# Altium PCB AD-FMComms3_revA.PcbDoc (part 6 of 6)
Units mil, origin at the board's own origin, x right, y up, seen from the top; angles counter-clockwise.
Board outline 3311.81 x 2716.54 mil, 10 copper layers (TOP, L2_GND, L3_PWR, L4_GND, L5_SIG, L6_SIG, L7_GND, L8_PWR, L9_GND, BOTTOM), stack 60.05 mil thick; 211 components, 138 nets, 808 pads, 812 vias.
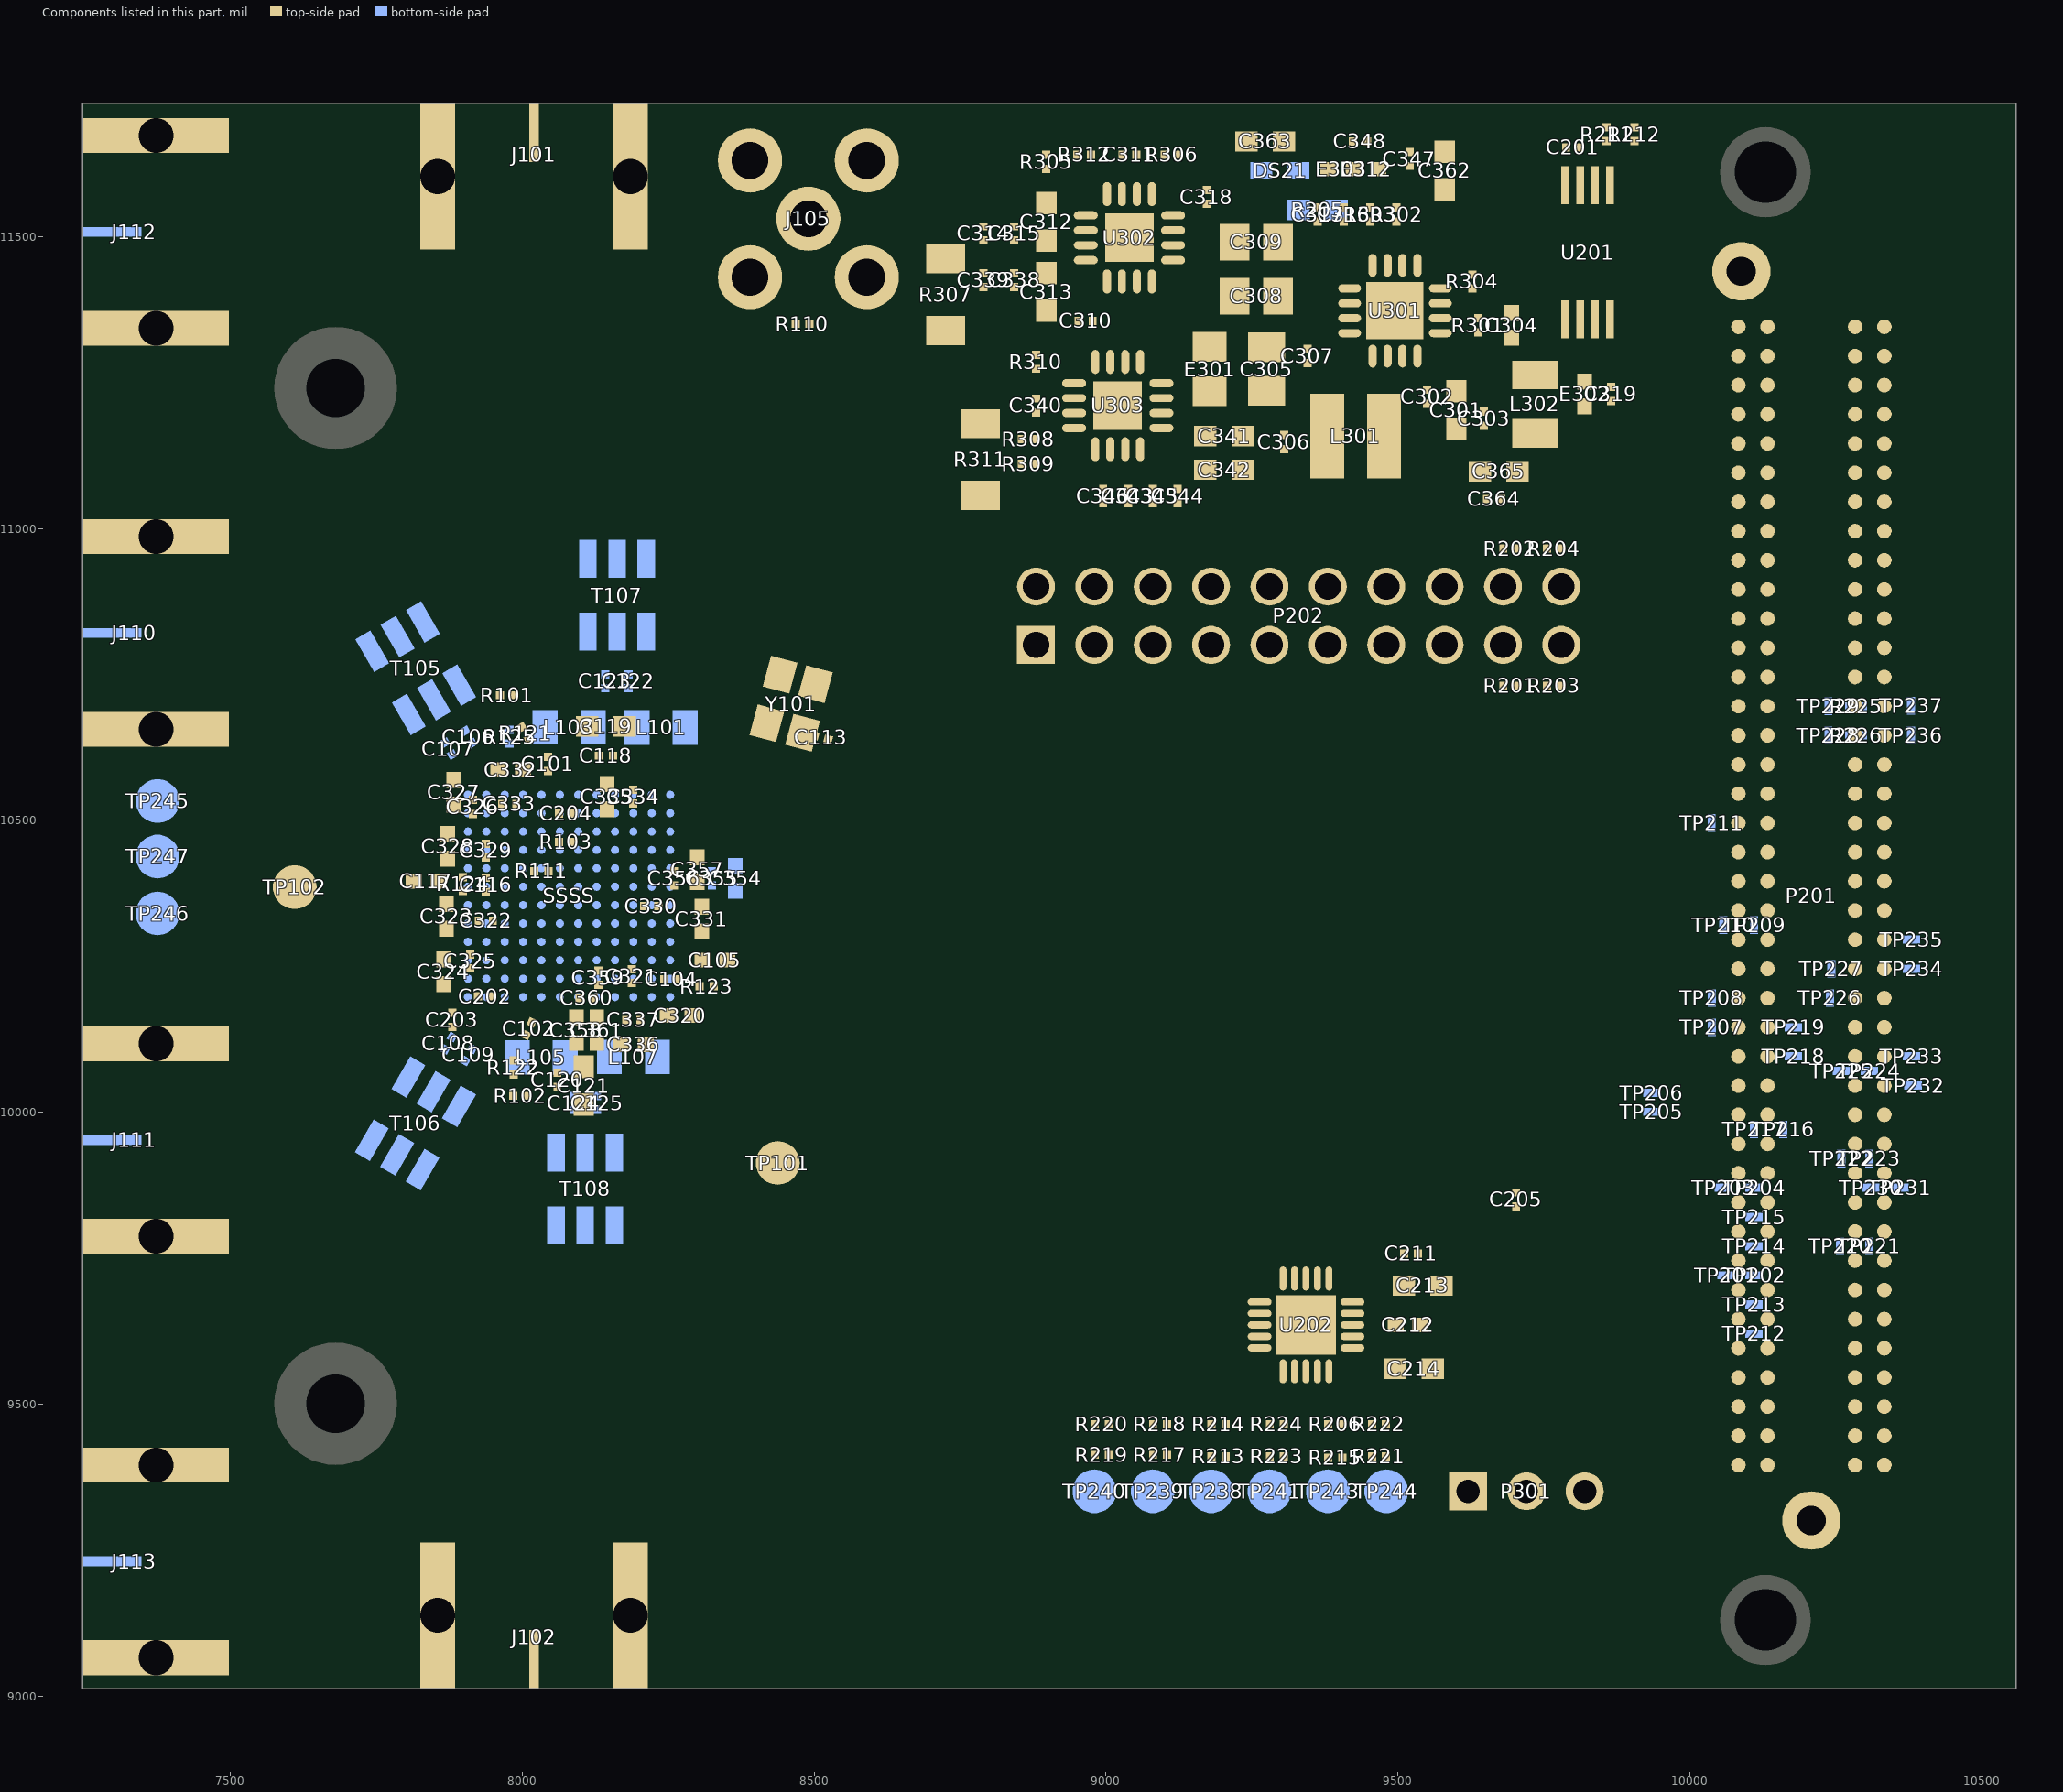
[diagram p14: the components of this part, seen from the top]

## Silkscreen, mask and mechanical layers (free items; w line width, h text height) (continued)
DSIZEM:
  drawing of 810 lines, arcs and shapes, not listed
  text "1" at 4527.5,16500.5 h250
  text "1" at 4527.5,16500.5 h250
  text "2" at 10027.5,16500.5 h250
  text "2" at 10027.5,16500.5 h250
  text "3" at 15527.5,16500.5 h250
  text "3" at 15527.5,16500.5 h250
  text "4" at 21027.5,16500.5 h250
  text "4" at 21027.5,16500.5 h250
  text "D" at 2077.5,14650.5 h250
  text "D" at 2077.5,14650.5 h250
  text "D" at 23477.5,14650.5 h250
  text "D" at 23477.5,14650.5 h250
  text "C" at 2077.5,10400.5 h250
  text "C" at 2077.5,10400.5 h250
  text "C" at 23477.5,10400.5 h250
  text "C" at 23477.5,10400.5 h250
  text "B" at 2077.5,6150.5 h250
  text "B" at 2077.5,6150.5 h250
  text "B" at 23477.5,6150.5 h250
  text "B" at 23477.5,6150.5 h250
  text "SECONDARY SIDE" at 6900,2225.5 h200
  text "SECONDARY SIDE" at 6900,2225.5 h200
  text "WWM" at 3257.5,1950.5 h100
  text "WWM" at 3257.5,1950.5 h100
  text "A" at 2077.5,1900.5 h250
  text "A" at 2077.5,1900.5 h250
  text "A" at 23477.5,1900.5 h250
  text "A" at 23477.5,1900.5 h250
  text "DIVISION" at 3057.5,1800.5 h100
  text "DIVISION" at 3057.5,1800.5 h100
  text "804 WOBURN STREET" at 2833.5,1650.5 h80
  text "804 WOBURN STREET" at 2833.5,1650.5 h80
  text "WILMINGTON, MA 01887" at 2737.5,1500.5 h80
  text "WILMINGTON, MA 01887" at 2737.5,1500.5 h80
  text "REV" at 2752.5,1200.5 h80
  text "REV" at 2752.5,1200.5 h80
  text "DRAWING NUMBER" at 5327.5,1200.5 h80
  text "DRAWING NUMBER" at 5327.5,1200.5 h80
  text "FSCM NO" at 6227.5,1200.5 h80
  text "FSCM NO" at 6227.5,1200.5 h80
  text "SIZE" at 6777.5,1200.5 h80
  text "SIZE" at 6777.5,1200.5 h80
  text "D" at 2547.5,800.5 h200
  text "D" at 2547.5,800.5 h200
  text "01-037246" at 3582.5,800.5 h200
  text "01-037246" at 3582.5,800.5 h200
  text "24355" at 6352.5,800.5 h200
  text "24355" at 6352.5,800.5 h200
  text "C" at 6702.5,800.5 h200
  text "C" at 6702.5,800.5 h200
  text "CUSTOMER EVALUATION BOARD" at 13127.5,538 h200
  text "CUSTOMER EVALUATION BOARD" at 13127.5,538 h200
  text "2" at 2737.5,475.5 h100
  text "2" at 2737.5,475.5 h100
  text "OF" at 3077.5,475.5 h80
  text "OF" at 3077.5,475.5 h80
  text "2" at 3212.5,475.5 h100
  text "2" at 3212.5,475.5 h100
  text "SHEET" at 3827.5,475.5 h80
  text "SHEET" at 3827.5,475.5 h80
  text "1/1" at 6027.5,475.5 h100
  text "1/1" at 6027.5,475.5 h100
  text "SCALE" at 6777.5,475.5 h80
  text "SCALE" at 6777.5,475.5 h80
  text "1" at 4527.5,50.5 h250
  text "1" at 4527.5,50.5 h250
  text "2" at 10027.5,50.5 h250
  text "2" at 10027.5,50.5 h250
  text "3" at 15527.5,50.5 h250
  text "3" at 15527.5,50.5 h250
  text "4" at 21027.5,50.5 h250
  text "4" at 21027.5,50.5 h250
DSIZE:
  text "FABRICATION" at 20280.3,2225.5 h188
  text "FABRICATION" at 20280.3,2225.5 h188
  text "09" at 20472.5,800.5 h200
  text "09" at 20472.5,800.5 h200
  text "A" at 23027.5,800.5 h200
  text "A" at 23027.5,800.5 h200
  text "1" at 22480,475.5 h100
  text "1" at 22480,475.5 h100
  text "1" at 22880,475.5 h100
  text "1" at 22880,475.5 h100
ASSY_D:
  text "ASSEMBLY" at 20505.9,2225.5 h188
  text "ASSEMBLY" at 20505.9,2225.5 h188
  text "01" at 20472.5,800.5 h200
  text "01" at 20472.5,800.5 h200
  text "D" at 23027.5,800.5 h200
  text "D" at 23027.5,800.5 h200
  text "1" at 22480,475.5 h100
  text "1" at 22480,475.5 h100
  text "2" at 22880,475.5 h100
  text "2" at 22880,475.5 h100
Mechanical 255:
  lines w1: 7757.03,10715.74 7883.56,10788.79 7973.06,10633.78 7846.53,10560.73 7757.03,10715.74 ; 7765.72,10033.25 7892.25,9960.2 7981.74,10115.21 7855.21,10188.27 7765.72,10033.25 ; 7989,10129.5 8032.26,9869.92 8178.37,9869.93 8230,10129.5 7989,10129.5 ; 8039.99,10624.5 8280.99,10624.5 8237.73,10884.08 8091.62,10884.07 8039.99,10624.5

## Text inside footprints (layer, text, board x,y; h text height)
C101: PIN_NUMBER "2" at 8033.75,10584.74 h25 r270; PIN_NUMBER "1" at 8033.75,10608.76 h25 r270; PAD_STACK_NAME "14X14" at 7819.74,10589.15 h50 r270; PAD_STACK_NAME "C0201" at 8040.76,10585.74 h50 r270; DISPLAY_TOP "QA/XXX" at 7969.37,10451.75 h31; DISPLAY_TOP "14JAN09" at 7956.95,10711.76 h31; DISPLAY_TOP "10XXX09" at 7956.95,10411.76 h31; DISPLAY_TOP "ADI/DML" at 7956.97,10756.75 h31; ASSEMBLY_TOP "UPN" at 8013.75,10531.75 h25; ASSEMBLY_TOP "10" at 8023.75,10561.75 h25; ASSEMBLY_TOP "1000pF" at 7983.76,10606.96 h25
C102: PIN_NUMBER "2" at 8006.32,10153.87 h25 r65; PIN_NUMBER "1" at 7996.18,10132.13 h25 r65; PAD_STACK_NAME "14X14" at 8026.85,10097.48 h50 r65; PAD_STACK_NAME "C0201" at 7827.99,10193.96 h50 r65; DISPLAY_TOP "QA/XXX" at 7998.12,10274.41 h31 r155; DISPLAY_TOP "14JAN09" at 7875.86,10038.77 h31 r155; DISPLAY_TOP "10XXX09" at 8002.63,10310.66 h31 r155; DISPLAY_TOP "ADI/DML" at 7856.84,9997.99 h31 r155; ASSEMBLY_TOP "UPN" at 8008.72,10201.91 h25 r155; ASSEMBLY_TOP "10" at 8006.04,10174.72 h25 r155; ASSEMBLY_TOP "1000pF" at 7946.94,10133.75 h25 r155
C104: PIN_NUMBER "1" at 8257,10228 h25 r180; PIN_NUMBER "2" at 8233,10228 h25 r180; PAD_STACK_NAME "14X14" at 8147.4,10352 h50 r180; PAD_STACK_NAME "C0201" at 8144,10131 h50 r180; DISPLAY_TOP "QA/XXX" at 8035.6,10228 h31 r270; DISPLAY_TOP "14JAN09" at 8283.2,10228 h31 r270; DISPLAY_TOP "10XXX09" at 7983.2,10228 h31 r270; DISPLAY_TOP "ADI/DML" at 8328.2,10228 h31 r270; ASSEMBLY_TOP "UPN" at 8160,10228 h25 r270; ASSEMBLY_TOP "10" at 8200,10228 h25 r270; ASSEMBLY_TOP "1000pF" at 8205.2,10228 h25 r270
C105: PIN_NUMBER "2" at 8298.75,10260.5 h25 r180; PIN_NUMBER "1" at 8341.25,10260.5 h25 r180; PAD_STACK_NAME "C0402" at 8235,10165.5 h50 r180; PAD_STACK_NAME "27.5x25x15" at 8206,10390.5 h31 r180; ASSEMBLY_TOP "1uF" at 8295.67,10274.67 h25 r180; ASSEMBLY_TOP "10" at 8305.28,10314.44 h25 r180; ASSEMBLY_TOP "UPN" at 8299.21,10329 h25 r180
C106: PIN_NUMBER "2" at 7904.07,10632.42 h25 r120; PIN_NUMBER "1" at 7892.07,10653.2 h25 r120; ASSEMBLY_BOTTOM "UPN" at 7910.57,10586.52 h25 r30; ASSEMBLY_BOTTOM "5" at 7915.57,10612.5 h25 r30; ASSEMBLY_BOTTOM "18pF" at 7862.97,10651.64 h25 r30; PAD_STACK_NAME "14X14" at 7919.26,10698.23 h50 r120; PAD_STACK_NAME "C0201" at 7729.57,10584.78 h50 r120; DISPLAY_BOTTOM "QA/XXX" at 7906.17,10517.24 h31 r30; DISPLAY_BOTTOM "14JAN09" at 7763.77,10742.4 h31 r30; DISPLAY_BOTTOM "10XXX09" at 7913.77,10482.6 h31 r30; DISPLAY_BOTTOM "ADI/DML" at 7741.27,10781.37 h31 r30
C107: PIN_NUMBER "2" at 7869.43,10612.42 h25 r120; PIN_NUMBER "1" at 7857.43,10633.2 h25 r120; ASSEMBLY_BOTTOM "UPN" at 7875.93,10566.52 h25 r30; ASSEMBLY_BOTTOM "5" at 7880.93,10592.5 h25 r30; ASSEMBLY_BOTTOM "18pF" at 7828.33,10631.64 h25 r30; PAD_STACK_NAME "14X14" at 7884.62,10678.23 h50 r120; PAD_STACK_NAME "C0201" at 7694.93,10564.78 h50 r120; DISPLAY_BOTTOM "QA/XXX" at 7871.53,10497.24 h31 r30; DISPLAY_BOTTOM "14JAN09" at 7729.13,10722.4 h31 r30; DISPLAY_BOTTOM "10XXX09" at 7879.13,10462.6 h31 r30; DISPLAY_BOTTOM "ADI/DML" at 7706.63,10761.37 h31 r30
C108: PIN_NUMBER "2" at 7869.43,10128.58 h25 r240; PIN_NUMBER "1" at 7857.43,10107.8 h25 r240; ASSEMBLY_BOTTOM "UPN" at 7875.93,10174.48 h25 r150; ASSEMBLY_BOTTOM "5" at 7880.93,10148.5 h25 r150; ASSEMBLY_BOTTOM "18pF" at 7828.33,10109.36 h25 r150; PAD_STACK_NAME "14X14" at 7669.84,10186.77 h50 r240; PAD_STACK_NAME "C0201" at 7862.93,10079.22 h50 r240; DISPLAY_BOTTOM "QA/XXX" at 7871.53,10243.76 h31 r150; DISPLAY_BOTTOM "14JAN09" at 7729.13,10018.6 h31 r150; DISPLAY_BOTTOM "10XXX09" at 7879.13,10278.4 h31 r150; DISPLAY_BOTTOM "ADI/DML" at 7706.63,9979.63 h31 r150
C109: PIN_NUMBER "2" at 7904.07,10108.58 h25 r240; PIN_NUMBER "1" at 7892.07,10087.8 h25 r240; ASSEMBLY_BOTTOM "UPN" at 7910.57,10154.48 h25 r150; ASSEMBLY_BOTTOM "5" at 7915.57,10128.5 h25 r150; ASSEMBLY_BOTTOM "18pF" at 7862.97,10089.36 h25 r150; PAD_STACK_NAME "14X14" at 7704.48,10166.77 h50 r240; PAD_STACK_NAME "C0201" at 7897.57,10059.22 h50 r240; DISPLAY_BOTTOM "QA/XXX" at 7906.17,10223.76 h31 r150; DISPLAY_BOTTOM "14JAN09" at 7763.77,9998.6 h31 r150; DISPLAY_BOTTOM "10XXX09" at 7913.77,10258.4 h31 r150; DISPLAY_BOTTOM "ADI/DML" at 7741.27,9959.63 h31 r150
C113: PIN_NUMBER "2" at 8490.62,10645 h25 r165; PIN_NUMBER "1" at 8513.8,10638.78 h25 r165; PAD_STACK_NAME "14X14" at 8436.96,10763.63 h50 r165; PAD_STACK_NAME "C0201" at 8376.48,10551.04 h50 r165; DISPLAY_TOP "QA/XXX" at 8297.75,10679.42 h31 r255; DISPLAY_TOP "14JAN09" at 8536.49,10612.13 h31 r255; DISPLAY_TOP "10XXX09" at 8246.71,10689.77 h31 r255; DISPLAY_TOP "ADI/DML" at 8579.96,10600.48 h31 r255; ASSEMBLY_TOP "UPN" at 8419.42,10658.71 h25 r255; ASSEMBLY_TOP "10" at 8458.4,10650.95 h25 r255; ASSEMBLY_TOP "0.1uF" at 8472.06,10639.25 h25 r255
C116: PIN_NUMBER "2" at 7927.5,10401.79 h25 r90; PIN_NUMBER "1" at 7927.5,10377.77 h25 r90; PAD_STACK_NAME "14X14" at 7961.51,10397.38 h50 r90; PAD_STACK_NAME "C0201" at 7740.5,10400.78 h50 r90; DISPLAY_TOP "QA/XXX" at 7863.1,10534.78 h31 r180; DISPLAY_TOP "14JAN09" at 7850.7,10274.78 h31 r180; DISPLAY_TOP "10XXX09" at 7850.7,10574.77 h31 r180; DISPLAY_TOP "ADI/DML" at 7850.7,10229.78 h31 r180; ASSEMBLY_TOP "UPN" at 7907.5,10454.78 h25 r180; ASSEMBLY_TOP "10" at 7917.5,10424.78 h25 r180; ASSEMBLY_TOP "1000pF" at 7877.5,10379.58 h25 r180
C117: PIN_NUMBER "2" at 7803.75,10395.5 h25 r180; PIN_NUMBER "1" at 7846.25,10395.5 h25 r180; PAD_STACK_NAME "C0402" at 7740,10300.5 h50 r180; PAD_STACK_NAME "27.5x25x15" at 7711,10525.5 h31 r180; ASSEMBLY_TOP "1uF" at 7800.67,10409.67 h25 r180; ASSEMBLY_TOP "10" at 7810.28,10449.44 h25 r180; ASSEMBLY_TOP "UPN" at 7804.21,10464 h25 r180
C118: PIN_NUMBER "1" at 8121.25,10610.76 h25; PIN_NUMBER "2" at 8145.25,10610.76 h25; PAD_STACK_NAME "14X14" at 8050.85,10486.76 h50; PAD_STACK_NAME "C0201" at 8054.25,10707.76 h50; DISPLAY_TOP "QA/XXX" at 8213.85,10610.76 h31 r90; DISPLAY_TOP "14JAN09" at 7941.45,10610.76 h31 r90; DISPLAY_TOP "10XXX09" at 8241.45,10610.76 h31 r90; DISPLAY_TOP "ADI/DML" at 7896.45,10610.76 h31 r90; ASSEMBLY_TOP "UPN" at 8178.25,10610.76 h25 r90; ASSEMBLY_TOP "10" at 8158.25,10610.76 h25 r90; ASSEMBLY_TOP "1000pF" at 8073.05,10610.76 h25 r90
C119: PIN_NUMBER "2" at 8101,10660.76 h25 r180; PIN_NUMBER "1" at 8165.5,10660.76 h25 r180; PAD_STACK_NAME "C0603a" at 8028.25,10565.76 h50 r180; PAD_STACK_NAME "38.5x35x26" at 8043.25,10790.76 h25 r180; ASSEMBLY_TOP "10UF" at 8101.25,10671.76 h25 r180; ASSEMBLY_TOP "20" at 8193.25,10660.76 h25 r270; ASSEMBLY_TOP "UPN" at 7989.25,10661.76 h25 r270
C120: PIN_NUMBER "1" at 8050,10043.5 h25 r90; PIN_NUMBER "2" at 8050,10067.5 h25 r90; PAD_STACK_NAME "14X14" at 8084,10063.1 h50 r90; PAD_STACK_NAME "C0201" at 7863,10066.5 h50 r90; DISPLAY_TOP "QA/XXX" at 7985.6,10200.5 h31 r180; DISPLAY_TOP "14JAN09" at 7973.2,9940.5 h31 r180; DISPLAY_TOP "10XXX09" at 7973.2,10240.5 h31 r180; DISPLAY_TOP "ADI/DML" at 7973.2,9895.5 h31 r180; ASSEMBLY_TOP "UPN" at 8030,10120.5 h25 r180; ASSEMBLY_TOP "10" at 8040,10090.5 h25 r180; ASSEMBLY_TOP "1000pF" at 8000,10045.3 h25 r180
C121: PIN_NUMBER "2" at 8095,10013.25 h25 r270; PIN_NUMBER "1" at 8095,10077.75 h25 r270; PAD_STACK_NAME "C0603a" at 8080,10050.5 h50 r270; PAD_STACK_NAME "38.5x35x26" at 7875,10045.5 h25 r270; ASSEMBLY_TOP "10UF" at 8054,10043.5 h25 r270; ASSEMBLY_TOP "20" at 8085,10115.5 h25; ASSEMBLY_TOP "UPN" at 8074,9921.5 h25
C122: PIN_NUMBER "1" at 8171.82,10726.26 h25 r270; PIN_NUMBER "2" at 8171.82,10750.26 h25 r270; ASSEMBLY_BOTTOM "UPN" at 8151.82,10803.26 h25 r180; ASSEMBLY_BOTTOM "5" at 8171.82,10773.26 h25 r180; ASSEMBLY_BOTTOM "18pF" at 8141.82,10728.06 h25 r180; PAD_STACK_NAME "14X14" at 7957.82,10745.86 h50 r270; PAD_STACK_NAME "C0201" at 8178.82,10749.26 h50 r270; DISPLAY_BOTTOM "QA/XXX" at 8107.42,10883.26 h31 r180; DISPLAY_BOTTOM "14JAN09" at 8095.02,10623.26 h31 r180; DISPLAY_BOTTOM "10XXX09" at 8095.02,10923.26 h31 r180; DISPLAY_BOTTOM "ADI/DML" at 8095.02,10578.26 h31 r180
C123: PIN_NUMBER "1" at 8131.82,10726.26 h25 r270; PIN_NUMBER "2" at 8131.82,10750.26 h25 r270; ASSEMBLY_BOTTOM "UPN" at 8111.82,10803.26 h25 r180; ASSEMBLY_BOTTOM "5" at 8131.82,10773.26 h25 r180; ASSEMBLY_BOTTOM "18pF" at 8101.82,10728.06 h25 r180; PAD_STACK_NAME "14X14" at 7917.82,10745.86 h50 r270; PAD_STACK_NAME "C0201" at 8138.82,10749.26 h50 r270; DISPLAY_BOTTOM "QA/XXX" at 8067.42,10883.26 h31 r180; DISPLAY_BOTTOM "14JAN09" at 8055.02,10623.26 h31 r180; DISPLAY_BOTTOM "10XXX09" at 8055.02,10923.26 h31 r180; DISPLAY_BOTTOM "ADI/DML" at 8055.02,10578.26 h31 r180
C124: PIN_NUMBER "1" at 8078.17,10027.74 h25 r90; PIN_NUMBER "2" at 8078.17,10003.74 h25 r90; ASSEMBLY_BOTTOM "UPN" at 8058.17,9950.74 h25; ASSEMBLY_BOTTOM "5" at 8078.17,9980.74 h25; ASSEMBLY_BOTTOM "18pF" at 8048.17,10025.94 h25; PAD_STACK_NAME "14X14" at 8112.17,10008.14 h50 r90; PAD_STACK_NAME "C0201" at 7891.17,10004.74 h50 r90; DISPLAY_BOTTOM "QA/XXX" at 8013.77,9870.74 h31; DISPLAY_BOTTOM "14JAN09" at 8001.37,10130.74 h31; DISPLAY_BOTTOM "10XXX09" at 8001.37,9830.74 h31; DISPLAY_BOTTOM "ADI/DML" at 8001.37,10175.74 h31
C125: PIN_NUMBER "1" at 8118.17,10027.74 h25 r90; PIN_NUMBER "2" at 8118.17,10003.74 h25 r90; ASSEMBLY_BOTTOM "UPN" at 8098.17,9950.74 h25; ASSEMBLY_BOTTOM "5" at 8118.17,9980.74 h25; ASSEMBLY_BOTTOM "18pF" at 8088.17,10025.94 h25; PAD_STACK_NAME "14X14" at 8152.17,10008.14 h50 r90; PAD_STACK_NAME "C0201" at 7931.17,10004.74 h50 r90; DISPLAY_BOTTOM "QA/XXX" at 8053.77,9870.74 h31; DISPLAY_BOTTOM "14JAN09" at 8041.37,10130.74 h31; DISPLAY_BOTTOM "10XXX09" at 8041.37,9830.74 h31; DISPLAY_BOTTOM "ADI/DML" at 8041.37,10175.74 h31
C201: PIN_NUMBER "2" at 9802,11653 h25; PIN_NUMBER "1" at 9778,11653 h25; PAD_STACK_NAME "14X14" at 9707.6,11529 h50; PAD_STACK_NAME "C0201" at 9711,11750 h50; DISPLAY_TOP "QA/XXX" at 9870.6,11653 h31 r90; DISPLAY_TOP "14JAN09" at 9598.2,11653 h31 r90; DISPLAY_TOP "10XXX09" at 9898.2,11653 h31 r90; DISPLAY_TOP "ADI/DML" at 9553.2,11653 h31 r90; ASSEMBLY_TOP "UPN" at 9835,11653 h25 r90; ASSEMBLY_TOP "10" at 9815,11653 h25 r90; ASSEMBLY_TOP "0.1uF" at 9739.8,11653 h25 r90
C202: PIN_NUMBER "1" at 7913.75,10198.25 h25; PIN_NUMBER "2" at 7937.75,10198.25 h25; PAD_STACK_NAME "14X14" at 7843.35,10074.25 h50; PAD_STACK_NAME "C0201" at 7846.75,10295.25 h50; DISPLAY_TOP "QA/XXX" at 8006.35,10198.25 h31 r90; DISPLAY_TOP "14JAN09" at 7733.95,10198.25 h31 r90; DISPLAY_TOP "10XXX09" at 8033.95,10198.25 h31 r90; DISPLAY_TOP "ADI/DML" at 7688.95,10198.25 h31 r90; ASSEMBLY_TOP "UPN" at 7970.75,10198.25 h25 r90; ASSEMBLY_TOP "10" at 7950.75,10198.25 h25 r90; ASSEMBLY_TOP "0.1uF" at 7875.55,10198.25 h25 r90
C203: PIN_NUMBER "1" at 7870,10146 h25 r90; PIN_NUMBER "2" at 7870,10170 h25 r90; PAD_STACK_NAME "14X14" at 7904,10165.6 h50 r90; PAD_STACK_NAME "C0201" at 7683,10169 h50 r90; DISPLAY_TOP "QA/XXX" at 7805.6,10303 h31 r180; DISPLAY_TOP "14JAN09" at 7793.2,10043 h31 r180; DISPLAY_TOP "10XXX09" at 7793.2,10343 h31 r180; DISPLAY_TOP "ADI/DML" at 7793.2,9998 h31 r180; ASSEMBLY_TOP "UPN" at 7850,10223 h25 r180; ASSEMBLY_TOP "10" at 7860,10193 h25 r180; ASSEMBLY_TOP "0.1uF" at 7830,10147.8 h25 r180
C204: PIN_NUMBER "1" at 8077,10511.75 h25 r180; PIN_NUMBER "2" at 8053,10511.75 h25 r180; PAD_STACK_NAME "14X14" at 7967.4,10635.75 h50 r180; PAD_STACK_NAME "C0201" at 7964,10414.75 h50 r180; DISPLAY_TOP "QA/XXX" at 7855.6,10511.75 h31 r270; DISPLAY_TOP "14JAN09" at 8103.2,10511.75 h31 r270; DISPLAY_TOP "10XXX09" at 7803.2,10511.75 h31 r270; DISPLAY_TOP "ADI/DML" at 8148.2,10511.75 h31 r270; ASSEMBLY_TOP "UPN" at 7980,10511.75 h25 r270; ASSEMBLY_TOP "10" at 8020,10511.75 h25 r270; ASSEMBLY_TOP "0.1uF" at 8035.2,10511.75 h25 r270
C205: PIN_NUMBER "1" at 9692.5,9838.5 h25 r90; PIN_NUMBER "2" at 9692.5,9862.5 h25 r90; PAD_STACK_NAME "14X14" at 9726.5,9858.1 h50 r90; PAD_STACK_NAME "C0201" at 9505.5,9861.5 h50 r90; DISPLAY_TOP "QA/XXX" at 9628.1,9995.5 h31 r180; DISPLAY_TOP "14JAN09" at 9615.7,9735.5 h31 r180; DISPLAY_TOP "10XXX09" at 9615.7,10035.5 h31 r180; DISPLAY_TOP "ADI/DML" at 9615.7,9690.5 h31 r180; ASSEMBLY_TOP "UPN" at 9672.5,9915.5 h25 r180; ASSEMBLY_TOP "10" at 9682.5,9885.5 h25 r180; ASSEMBLY_TOP "0.1uF" at 9652.5,9840.3 h25 r180
C211: PIN_NUMBER "1" at 9524.5,9758 h25 r180; PIN_NUMBER "2" at 9500.5,9758 h25 r180; PAD_STACK_NAME "14X14" at 9414.9,9882 h50 r180; PAD_STACK_NAME "C0201" at 9411.5,9661 h50 r180; DISPLAY_TOP "QA/XXX" at 9303.1,9758 h31 r270; DISPLAY_TOP "14JAN09" at 9550.7,9758 h31 r270; DISPLAY_TOP "10XXX09" at 9250.7,9758 h31 r270; DISPLAY_TOP "ADI/DML" at 9595.7,9758 h31 r270; ASSEMBLY_TOP "UPN" at 9427.5,9758 h25 r270; ASSEMBLY_TOP "10" at 9467.5,9758 h25 r270; ASSEMBLY_TOP "0.1uF" at 9482.7,9758 h25 r270
C212: PIN_NUMBER "2" at 9528.75,9635.5 h25; PIN_NUMBER "1" at 9486.25,9635.5 h25; PAD_STACK_NAME "C0402" at 9412.5,9730.5 h50; PAD_STACK_NAME "27.5x25x15" at 9393.5,9505.5 h31; ASSEMBLY_TOP "1uF" at 9491.83,9621.33 h25; ASSEMBLY_TOP "10" at 9502.22,9581.56 h25; ASSEMBLY_TOP "UPN" at 9488.29,9567 h25
C213: PIN_NUMBER "2" at 9564.75,9703 h25; PIN_NUMBER "1" at 9500.25,9703 h25; PAD_STACK_NAME "C0603a" at 9417.5,9798 h50; PAD_STACK_NAME "38.5x35x26" at 9442.5,9573 h25; ASSEMBLY_TOP "10UF" at 9504.5,9692 h25; ASSEMBLY_TOP "20" at 9452.5,9703 h25 r90; ASSEMBLY_TOP "UPN" at 9636.5,9702 h25 r90
C214: PIN_NUMBER "2" at 9549.75,9560.5 h25; PIN_NUMBER "1" at 9485.25,9560.5 h25; PAD_STACK_NAME "C0603a" at 9402.5,9655.5 h50; PAD_STACK_NAME "38.5x35x26" at 9427.5,9430.5 h25; ASSEMBLY_TOP "10UF" at 9489.5,9549.5 h25; ASSEMBLY_TOP "20" at 9437.5,9560.5 h25 r90; ASSEMBLY_TOP "UPN" at 9621.5,9559.5 h25 r90
C301: PIN_NUMBER "2" at 9590,11170.75 h25 r270; PIN_NUMBER "1" at 9590,11235.25 h25 r270; PAD_STACK_NAME "C0603a" at 9575,11208 h50 r270; PAD_STACK_NAME "38.5x35x26" at 9370,11203 h25 r270; ASSEMBLY_TOP "10UF" at 9549,11201 h25 r270; ASSEMBLY_TOP "20" at 9580,11273 h25; ASSEMBLY_TOP "UPN" at 9569,11079 h25
C302: PIN_NUMBER "2" at 9540,11213.5 h25 r270; PIN_NUMBER "1" at 9540,11237.5 h25 r270; PAD_STACK_NAME "14X14" at 9326,11217.9 h50 r270; PAD_STACK_NAME "C0201" at 9547,11214.5 h50 r270; DISPLAY_TOP "QA/XXX" at 9475.6,11080.5 h31; DISPLAY_TOP "14JAN09" at 9463.2,11340.5 h31; DISPLAY_TOP "10XXX09" at 9463.2,11040.5 h31; DISPLAY_TOP "ADI/DML" at 9463.2,11385.5 h31; ASSEMBLY_TOP "UPN" at 9520,11160.5 h25; ASSEMBLY_TOP "10" at 9530,11190.5 h25; ASSEMBLY_TOP "0.1uF" at 9500,11235.7 h25
C303: PIN_NUMBER "2" at 9637.5,11176 h25 r270; PIN_NUMBER "1" at 9637.5,11200 h25 r270; PAD_STACK_NAME "14X14" at 9423.5,11180.4 h50 r270; PAD_STACK_NAME "C0201" at 9644.5,11177 h50 r270; DISPLAY_TOP "QA/XXX" at 9573.1,11043 h31; DISPLAY_TOP "14JAN09" at 9560.7,11303 h31; DISPLAY_TOP "10XXX09" at 9560.7,11003 h31; DISPLAY_TOP "ADI/DML" at 9560.7,11348 h31; ASSEMBLY_TOP "UPN" at 9617.5,11123 h25; ASSEMBLY_TOP "10" at 9627.5,11153 h25; ASSEMBLY_TOP "0.1uF" at 9597.5,11198.2 h25
C304: PIN_NUMBER "2" at 9685,11326.75 h25 r270; PIN_NUMBER "1" at 9685,11369.25 h25 r270; PAD_STACK_NAME "C0402" at 9690,11353 h50 r270; PAD_STACK_NAME "27.5x25x15" at 9441,11348 h31 r270; ASSEMBLY_TOP "1uF" at 9650.83,11343.67 h25 r270; ASSEMBLY_TOP "10" at 9621.06,11343.28 h25 r270; ASSEMBLY_TOP "UPN" at 9596.5,11347.21 h25 r270
C305: PIN_NUMBER "1" at 9265,11310.5 h25 r270; PIN_NUMBER "2" at 9265,11235.5 h25 r270; PAD_STACK_NAME "51X63" at 9050,11273 h50 r270; PAD_STACK_NAME "C0805H60" at 9242.3,11271 h50 r270; DISPLAY_TOP "08OCT98" at 9188.2,11073 h31; DISPLAY_TOP "QA/AA" at 9215,11114.6 h31; DISPLAY_TOP "CEXI/CWB" at 9175.8,11448 h31; DISPLAY_TOP "21SEP98" at 9191.2,11408.7 h31; ASSEMBLY_TOP "UPN" at 9245,11213 h25; ASSEMBLY_TOP "10" at 9255,11243 h25; ASSEMBLY_TOP "47uF" at 9235,11308 h25
C306: PIN_NUMBER "2" at 9295,11136 h25 r270; PIN_NUMBER "1" at 9295,11160 h25 r270; PAD_STACK_NAME "14X14" at 9081,11140.4 h50 r270; PAD_STACK_NAME "C0201" at 9302,11137 h50 r270; DISPLAY_TOP "QA/XXX" at 9230.6,11003 h31; DISPLAY_TOP "14JAN09" at 9218.2,11263 h31; DISPLAY_TOP "10XXX09" at 9218.2,10963 h31; DISPLAY_TOP "ADI/DML" at 9218.2,11308 h31; ASSEMBLY_TOP "UPN" at 9275,11083 h25; ASSEMBLY_TOP "10" at 9285,11113 h25; ASSEMBLY_TOP "0.1uF" at 9255,11158.2 h25
C307: PIN_NUMBER "2" at 9335,11307.5 h25 r90; PIN_NUMBER "1" at 9335,11283.5 h25 r90; PAD_STACK_NAME "14X14" at 9369,11303.1 h50 r90; PAD_STACK_NAME "C0201" at 9148,11306.5 h50 r90; DISPLAY_TOP "QA/XXX" at 9270.6,11440.5 h31 r180; DISPLAY_TOP "14JAN09" at 9258.2,11180.5 h31 r180; DISPLAY_TOP "10XXX09" at 9258.2,11480.5 h31 r180; DISPLAY_TOP "ADI/DML" at 9258.2,11135.5 h31 r180; ASSEMBLY_TOP "UPN" at 9315,11360.5 h25 r180; ASSEMBLY_TOP "10" at 9325,11330.5 h25 r180; ASSEMBLY_TOP "0.1uF" at 9295,11285.3 h25 r180
C308: PIN_NUMBER "1" at 9285,11398 h25 r180; PIN_NUMBER "2" at 9210,11398 h25 r180; PAD_STACK_NAME "51X63" at 9157.5,11523 h50 r180; PAD_STACK_NAME "C0805H60" at 9095.5,11270.7 h50 r180; DISPLAY_TOP "08OCT98" at 8970.7,11398 h31 r270; DISPLAY_TOP "QA/AA" at 9037.1,11396 h31 r270; DISPLAY_TOP "CEXI/CWB" at 9333.3,11398 h31 r270; DISPLAY_TOP "21SEP98" at 9306.4,11395 h31 r270; ASSEMBLY_TOP "UPN" at 9167.5,11398 h25 r270; ASSEMBLY_TOP "10" at 9207.5,11398 h25 r270; ASSEMBLY_TOP "47uF" at 9252.5,11398 h25 r270
C309: PIN_NUMBER "1" at 9285,11490.5 h25 r180; PIN_NUMBER "2" at 9210,11490.5 h25 r180; PAD_STACK_NAME "51X63" at 9157.5,11615.5 h50 r180; PAD_STACK_NAME "C0805H60" at 9095.5,11363.2 h50 r180; DISPLAY_TOP "08OCT98" at 8970.7,11490.5 h31 r270; DISPLAY_TOP "QA/AA" at 9037.1,11488.5 h31 r270; DISPLAY_TOP "CEXI/CWB" at 9333.3,11490.5 h31 r270; DISPLAY_TOP "21SEP98" at 9306.4,11487.5 h31 r270; ASSEMBLY_TOP "UPN" at 9167.5,11490.5 h25 r270; ASSEMBLY_TOP "10" at 9207.5,11490.5 h25 r270; ASSEMBLY_TOP "47uF" at 9252.5,11490.5 h25 r270
C310: PIN_NUMBER "2" at 8943,11355.5 h25 r180; PIN_NUMBER "1" at 8967,11355.5 h25 r180; PAD_STACK_NAME "14X14" at 8857.4,11479.5 h50 r180; PAD_STACK_NAME "C0201" at 8854,11258.5 h50 r180; DISPLAY_TOP "QA/XXX" at 8745.6,11355.5 h31 r270; DISPLAY_TOP "14JAN09" at 8993.2,11355.5 h31 r270; DISPLAY_TOP "10XXX09" at 8693.2,11355.5 h31 r270; DISPLAY_TOP "ADI/DML" at 9038.2,11355.5 h31 r270; ASSEMBLY_TOP "UPN" at 8870,11355.5 h25 r270; ASSEMBLY_TOP "10" at 8910,11355.5 h25 r270; ASSEMBLY_TOP "0.1uF" at 8925.2,11355.5 h25 r270
C311: PIN_NUMBER "2" at 9042,11640.5 h25; PIN_NUMBER "1" at 9018,11640.5 h25; PAD_STACK_NAME "14X14" at 8947.6,11516.5 h50; PAD_STACK_NAME "C0201" at 8951,11737.5 h50; DISPLAY_TOP "QA/XXX" at 9110.6,11640.5 h31 r90; DISPLAY_TOP "14JAN09" at 8838.2,11640.5 h31 r90; DISPLAY_TOP "10XXX09" at 9138.2,11640.5 h31 r90; DISPLAY_TOP "ADI/DML" at 8793.2,11640.5 h31 r90; ASSEMBLY_TOP "UPN" at 9075,11640.5 h25 r90; ASSEMBLY_TOP "10" at 9055,11640.5 h25 r90; ASSEMBLY_TOP "0.01UF" at 8969.8,11640.5 h25 r90
C312: PIN_NUMBER "2" at 8887.5,11557.74 h25 r90; PIN_NUMBER "1" at 8887.5,11493.26 h25 r90; PAD_STACK_NAME "C0603a" at 8682.5,11520.5 h50 r90; PAD_STACK_NAME "38.5x35x26" at 8927.49,11525.5 h25 r90; ASSEMBLY_TOP "10UF" at 8868.5,11527.5 h25 r90; ASSEMBLY_TOP "20" at 8877.5,11455.5 h25 r180; ASSEMBLY_TOP "UPN" at 8868.5,11649.5 h25 r180
C313: PIN_NUMBER "2" at 8887.5,11373.25 h25 r270; PIN_NUMBER "1" at 8887.5,11437.75 h25 r270; PAD_STACK_NAME "C0603a" at 8872.5,11410.5 h50 r270; PAD_STACK_NAME "38.5x35x26" at 8667.5,11405.5 h25 r270; ASSEMBLY_TOP "10UF" at 8846.5,11403.5 h25 r270; ASSEMBLY_TOP "20" at 8877.5,11475.5 h25; ASSEMBLY_TOP "UPN" at 8866.5,11281.5 h25
C314: PIN_NUMBER "2" at 8780,11517.5 h25 r90; PIN_NUMBER "1" at 8780,11493.5 h25 r90; PAD_STACK_NAME "14X14" at 8814,11513.1 h50 r90; PAD_STACK_NAME "C0201" at 8593.01,11516.5 h50 r90; DISPLAY_TOP "QA/XXX" at 8715.6,11650.5 h31 r180; DISPLAY_TOP "14JAN09" at 8703.2,11390.5 h31 r180; DISPLAY_TOP "10XXX09" at 8703.2,11690.5 h31 r180; DISPLAY_TOP "ADI/DML" at 8703.2,11345.5 h31 r180; ASSEMBLY_TOP "UPN" at 8760,11570.5 h25 r180; ASSEMBLY_TOP "10" at 8770,11540.5 h25 r180; ASSEMBLY_TOP "0.1uF" at 8740.01,11495.3 h25 r180
C315: PIN_NUMBER "2" at 8832.5,11517.5 h25 r90; PIN_NUMBER "1" at 8832.5,11493.5 h25 r90; PAD_STACK_NAME "14X14" at 8866.5,11513.1 h50 r90; PAD_STACK_NAME "C0201" at 8645.5,11516.49 h50 r90; DISPLAY_TOP "QA/XXX" at 8768.1,11650.5 h31 r180; DISPLAY_TOP "14JAN09" at 8755.7,11390.5 h31 r180; DISPLAY_TOP "10XXX09" at 8755.7,11690.5 h31 r180; DISPLAY_TOP "ADI/DML" at 8755.7,11345.5 h31 r180; ASSEMBLY_TOP "UPN" at 8812.5,11570.5 h25 r180; ASSEMBLY_TOP "10" at 8822.5,11540.49 h25 r180; ASSEMBLY_TOP "0.1uF" at 8792.5,11495.29 h25 r180
C316: PIN_NUMBER "2" at 9397.5,11526 h25 r270; PIN_NUMBER "1" at 9397.5,11550 h25 r270; PAD_STACK_NAME "14X14" at 9183.5,11530.4 h50 r270; PAD_STACK_NAME "C0201" at 9404.5,11527 h50 r270; DISPLAY_TOP "QA/XXX" at 9333.1,11393 h31; DISPLAY_TOP "14JAN09" at 9320.7,11653 h31; DISPLAY_TOP "10XXX09" at 9320.7,11353 h31; DISPLAY_TOP "ADI/DML" at 9320.7,11698 h31; ASSEMBLY_TOP "UPN" at 9377.5,11473 h25; ASSEMBLY_TOP "10" at 9387.5,11503 h25; ASSEMBLY_TOP "0.1uF" at 9357.5,11548.2 h25
C317: PIN_NUMBER "2" at 9352.5,11526 h25 r270; PIN_NUMBER "1" at 9352.5,11550 h25 r270; PAD_STACK_NAME "14X14" at 9138.5,11530.4 h50 r270; PAD_STACK_NAME "C0201" at 9359.5,11527 h50 r270; DISPLAY_TOP "QA/XXX" at 9288.1,11393 h31; DISPLAY_TOP "14JAN09" at 9275.7,11653 h31; DISPLAY_TOP "10XXX09" at 9275.7,11353 h31; DISPLAY_TOP "ADI/DML" at 9275.7,11698 h31; ASSEMBLY_TOP "UPN" at 9332.5,11473 h25; ASSEMBLY_TOP "10" at 9342.5,11503 h25; ASSEMBLY_TOP "0.1uF" at 9312.5,11548.2 h25
C318: PIN_NUMBER "2" at 9162.5,11580 h25 r90; PIN_NUMBER "1" at 9162.5,11556 h25 r90; PAD_STACK_NAME "14X14" at 9196.5,11575.6 h50 r90; PAD_STACK_NAME "C0201" at 8975.5,11579 h50 r90; DISPLAY_TOP "QA/XXX" at 9098.1,11713 h31 r180; DISPLAY_TOP "14JAN09" at 9085.7,11453 h31 r180; DISPLAY_TOP "10XXX09" at 9085.7,11753 h31 r180; DISPLAY_TOP "ADI/DML" at 9085.7,11408 h31 r180; ASSEMBLY_TOP "UPN" at 9142.5,11633 h25 r180; ASSEMBLY_TOP "10" at 9152.5,11603 h25 r180; ASSEMBLY_TOP "0.1uF" at 9122.5,11557.8 h25 r180
C319: PIN_NUMBER "2" at 9855,11242.51 h25 r90; PIN_NUMBER "1" at 9855,11218.51 h25 r90; PAD_STACK_NAME "14X14" at 9889.01,11238.1 h50 r90; PAD_STACK_NAME "C0201" at 9668,11241.5 h50 r90; DISPLAY_TOP "QA/XXX" at 9790.6,11375.5 h31 r180; DISPLAY_TOP "14JAN09" at 9778.2,11115.5 h31 r180; DISPLAY_TOP "10XXX09" at 9778.2,11415.51 h31 r180; DISPLAY_TOP "ADI/DML" at 9778.2,11070.5 h31 r180; ASSEMBLY_TOP "UPN" at 9835,11295.5 h25 r180; ASSEMBLY_TOP "10" at 9845,11265.5 h25 r180; ASSEMBLY_TOP "0.1uF" at 9815,11220.3 h25 r180
C320: PIN_NUMBER "2" at 8281.26,10165.5 h25; PIN_NUMBER "1" at 8238.74,10165.5 h25; PAD_STACK_NAME "C0402" at 8165,10260.5 h50; PAD_STACK_NAME "27.5x25x15" at 8146,10035.51 h31; ASSEMBLY_TOP "1uF" at 8244.33,10151.33 h25; ASSEMBLY_TOP "10" at 8254.72,10111.56 h25; ASSEMBLY_TOP "UPN" at 8240.79,10097 h25
C321: PIN_NUMBER "2" at 8177.5,10245.01 h25 r90; PIN_NUMBER "1" at 8177.49,10221 h25 r90; PAD_STACK_NAME "14X14" at 8211.49,10240.61 h50 r90; PAD_STACK_NAME "C0201" at 7990.49,10244 h50 r90; DISPLAY_TOP "QA/XXX" at 8113.1,10378 h31 r180; DISPLAY_TOP "14JAN09" at 8100.7,10118 h31 r180; DISPLAY_TOP "10XXX09" at 8100.69,10418 h31 r180; DISPLAY_TOP "ADI/DML" at 8100.69,10073 h31 r180; ASSEMBLY_TOP "UPN" at 8157.5,10298 h25 r180; ASSEMBLY_TOP "10" at 8167.5,10268 h25 r180; ASSEMBLY_TOP "0.01UF" at 8127.5,10222.8 h25 r180
C322: PIN_NUMBER "2" at 7939.5,10327.99 h25; PIN_NUMBER "1" at 7915.49,10328 h25; PAD_STACK_NAME "14X14" at 7845.1,10203.99 h50; PAD_STACK_NAME "C0201" at 7848.5,10425 h50; DISPLAY_TOP "QA/XXX" at 8008.1,10328 h31 r90; DISPLAY_TOP "14JAN09" at 7735.69,10328 h31 r90; DISPLAY_TOP "10XXX09" at 8035.69,10328 h31 r90; DISPLAY_TOP "ADI/DML" at 7690.69,10328 h31 r90; ASSEMBLY_TOP "UPN" at 7972.49,10328 h25 r90; ASSEMBLY_TOP "10" at 7952.5,10328 h25 r90; ASSEMBLY_TOP "0.01UF" at 7867.3,10328 h25 r90
C323: PIN_NUMBER "2" at 7860,10356.76 h25 r90; PIN_NUMBER "1" at 7860,10314.24 h25 r90; PAD_STACK_NAME "C0402" at 7675,10330.5 h50 r90; PAD_STACK_NAME "27.5x25x15" at 7875.99,10335.5 h31 r90; ASSEMBLY_TOP "1uF" at 7854.17,10339.83 h25 r90; ASSEMBLY_TOP "10" at 7903.94,10340.22 h25 r90; ASSEMBLY_TOP "UPN" at 7908.5,10336.29 h25 r90
C324: PIN_NUMBER "2" at 7855,10219.25 h25 r270; PIN_NUMBER "1" at 7855,10261.75 h25 r270; PAD_STACK_NAME "C0402" at 7860,10245.5 h50 r270; PAD_STACK_NAME "27.5x25x15" at 7611,10240.5 h31 r270; ASSEMBLY_TOP "1uF" at 7820.83,10236.17 h25 r270; ASSEMBLY_TOP "10" at 7791.06,10235.78 h25 r270; ASSEMBLY_TOP "UPN" at 7766.5,10239.71 h25 r270
C325: PIN_NUMBER "2" at 7900.75,10246.25 h25 r270; PIN_NUMBER "1" at 7900.75,10270.25 h25 r270; PAD_STACK_NAME "14X14" at 7686.75,10250.66 h50 r270; PAD_STACK_NAME "C0201" at 7907.75,10247.25 h50 r270; DISPLAY_TOP "QA/XXX" at 7836.35,10113.25 h31; DISPLAY_TOP "14JAN09" at 7823.95,10373.26 h31; DISPLAY_TOP "10XXX09" at 7823.95,10073.25 h31; DISPLAY_TOP "ADI/DML" at 7823.95,10418.26 h31; ASSEMBLY_TOP "UPN" at 7880.75,10193.26 h25; ASSEMBLY_TOP "10" at 7890.75,10223.25 h25; ASSEMBLY_TOP "0.01UF" at 7850.75,10268.45 h25
C326: PIN_NUMBER "2" at 7905,10510.99 h25 r270; PIN_NUMBER "1" at 7905,10534.99 h25 r270; PAD_STACK_NAME "14X14" at 7691.01,10515.39 h50 r270; PAD_STACK_NAME "C0201" at 7912.01,10512 h50 r270; DISPLAY_TOP "QA/XXX" at 7840.6,10378 h31; DISPLAY_TOP "14JAN09" at 7828.21,10638 h31; DISPLAY_TOP "10XXX09" at 7828.2,10337.99 h31; DISPLAY_TOP "ADI/DML" at 7828.21,10683 h31; ASSEMBLY_TOP "UPN" at 7885,10458 h25; ASSEMBLY_TOP "10" at 7895,10488 h25; ASSEMBLY_TOP "0.01UF" at 7855,10533.2 h25
C327: PIN_NUMBER "2" at 7872.5,10569.25 h25 r90; PIN_NUMBER "1" at 7872.5,10526.75 h25 r90; PAD_STACK_NAME "C0402" at 7687.5,10543 h50 r90; PAD_STACK_NAME "27.5x25x15" at 7888.5,10548 h31 r90; ASSEMBLY_TOP "1uF" at 7866.67,10552.33 h25 r90; ASSEMBLY_TOP "10" at 7916.44,10552.72 h25 r90; ASSEMBLY_TOP "UPN" at 7921,10548.79 h25 r90
C328: PIN_NUMBER "2" at 7862.5,10434.25 h25 r270; PIN_NUMBER "1" at 7862.5,10476.75 h25 r270; PAD_STACK_NAME "C0402" at 7867.5,10460.5 h50 r270; PAD_STACK_NAME "27.5x25x15" at 7618.5,10455.5 h31 r270; ASSEMBLY_TOP "1uF" at 7828.33,10451.17 h25 r270; ASSEMBLY_TOP "10" at 7798.56,10450.78 h25 r270; ASSEMBLY_TOP "UPN" at 7774,10454.71 h25 r270
C329: PIN_NUMBER "2" at 7927.5,10436 h25 r270; PIN_NUMBER "1" at 7927.5,10460 h25 r270; PAD_STACK_NAME "14X14" at 7713.5,10440.4 h50 r270; PAD_STACK_NAME "C0201" at 7934.5,10437 h50 r270; DISPLAY_TOP "QA/XXX" at 7863.1,10303 h31; DISPLAY_TOP "14JAN09" at 7850.7,10563 h31; DISPLAY_TOP "10XXX09" at 7850.7,10263 h31; DISPLAY_TOP "ADI/DML" at 7850.7,10608 h31; ASSEMBLY_TOP "UPN" at 7907.5,10383 h25; ASSEMBLY_TOP "10" at 7917.5,10413 h25; ASSEMBLY_TOP "0.01UF" at 7877.5,10458.2 h25
C330: PIN_NUMBER "2" at 8199,10353 h25 r180; PIN_NUMBER "1" at 8223,10353 h25 r180; PAD_STACK_NAME "14X14" at 8113.4,10477 h50 r180; PAD_STACK_NAME "C0201" at 8110,10256 h50 r180; DISPLAY_TOP "QA/XXX" at 8001.6,10353 h31 r270; DISPLAY_TOP "14JAN09" at 8249.2,10353 h31 r270; DISPLAY_TOP "10XXX09" at 7949.2,10353 h31 r270; DISPLAY_TOP "ADI/DML" at 8294.2,10353 h31 r270; ASSEMBLY_TOP "UPN" at 8126,10353 h25 r270; ASSEMBLY_TOP "10" at 8166,10353 h25 r270; ASSEMBLY_TOP "0.01UF" at 8171.2,10353 h25 r270
C331: PIN_NUMBER "2" at 8297.5,10309.25 h25 r270; PIN_NUMBER "1" at 8297.5,10351.75 h25 r270; PAD_STACK_NAME "C0402" at 8302.5,10335.5 h50 r270; PAD_STACK_NAME "27.5x25x15" at 8053.5,10330.5 h31 r270; ASSEMBLY_TOP "1uF" at 8263.33,10326.17 h25 r270; ASSEMBLY_TOP "10" at 8233.56,10325.78 h25 r270; ASSEMBLY_TOP "UPN" at 8209,10329.71 h25 r270
C332: PIN_NUMBER "2" at 7991.25,10586.75 h25; PIN_NUMBER "1" at 7948.75,10586.75 h25; PAD_STACK_NAME "C0402" at 7875,10681.75 h50; PAD_STACK_NAME "27.5x25x15" at 7856,10456.75 h31; ASSEMBLY_TOP "1uF" at 7954.33,10572.58 h25; ASSEMBLY_TOP "10" at 7964.72,10532.81 h25; ASSEMBLY_TOP "UPN" at 7950.79,10518.25 h25
C333: PIN_NUMBER "2" at 7955.5,10528 h25 r180; PIN_NUMBER "1" at 7979.5,10528 h25 r180; PAD_STACK_NAME "14X14" at 7869.9,10652 h50 r180; PAD_STACK_NAME "C0201" at 7866.5,10431 h50 r180; DISPLAY_TOP "QA/XXX" at 7758.1,10528 h31 r270; DISPLAY_TOP "14JAN09" at 8005.7,10528 h31 r270; DISPLAY_TOP "10XXX09" at 7705.7,10528 h31 r270; DISPLAY_TOP "ADI/DML" at 8050.7,10528 h31 r270; ASSEMBLY_TOP "UPN" at 7882.5,10528 h25 r270; ASSEMBLY_TOP "10" at 7922.5,10528 h25 r270; ASSEMBLY_TOP "0.01UF" at 7927.7,10528 h25 r270
C334: PIN_NUMBER "2" at 8180,10528.5 h25 r270; PIN_NUMBER "1" at 8180,10552.5 h25 r270; PAD_STACK_NAME "14X14" at 7966,10532.9 h50 r270; PAD_STACK_NAME "C0201" at 8187,10529.5 h50 r270; DISPLAY_TOP "QA/XXX" at 8115.6,10395.5 h31; DISPLAY_TOP "14JAN09" at 8103.2,10655.5 h31; DISPLAY_TOP "10XXX09" at 8103.2,10355.5 h31; DISPLAY_TOP "ADI/DML" at 8103.2,10700.5 h31; ASSEMBLY_TOP "UPN" at 8160,10475.5 h25; ASSEMBLY_TOP "10" at 8170,10505.5 h25; ASSEMBLY_TOP "0.01UF" at 8130,10550.7 h25
C335: PIN_NUMBER "2" at 8135,10519.24 h25 r270; PIN_NUMBER "1" at 8135,10561.76 h25 r270; PAD_STACK_NAME "C0402" at 8140,10545.5 h50 r270; PAD_STACK_NAME "27.5x25x15" at 7891.01,10540.5 h31 r270; ASSEMBLY_TOP "1uF" at 8100.83,10536.17 h25 r270; ASSEMBLY_TOP "10" at 8071.06,10535.78 h25 r270; ASSEMBLY_TOP "UPN" at 8046.5,10539.71 h25 r270
C336: PIN_NUMBER "2" at 8158.75,10115.5 h25 r180; PIN_NUMBER "1" at 8201.25,10115.5 h25 r180; PAD_STACK_NAME "C0402" at 8095,10020.5 h50 r180; PAD_STACK_NAME "27.5x25x15" at 8066,10245.5 h31 r180; ASSEMBLY_TOP "1uF" at 8155.67,10129.67 h25 r180; ASSEMBLY_TOP "10" at 8165.28,10169.44 h25 r180; ASSEMBLY_TOP "UPN" at 8159.21,10184 h25 r180
C337: PIN_NUMBER "2" at 8168,10158 h25 r180; PIN_NUMBER "1" at 8192,10158 h25 r180; PAD_STACK_NAME "14X14" at 8082.4,10282 h50 r180; PAD_STACK_NAME "C0201" at 8079,10061 h50 r180; DISPLAY_TOP "QA/XXX" at 7970.6,10158 h31 r270; DISPLAY_TOP "14JAN09" at 8218.2,10158 h31 r270; DISPLAY_TOP "10XXX09" at 7918.2,10158 h31 r270; DISPLAY_TOP "ADI/DML" at 8263.2,10158 h31 r270; ASSEMBLY_TOP "UPN" at 8095,10158 h25 r270; ASSEMBLY_TOP "10" at 8135,10158 h25 r270; ASSEMBLY_TOP "0.01UF" at 8140.2,10158 h25 r270
C338: PIN_NUMBER "2" at 8832.5,11413.5 h25 r270; PIN_NUMBER "1" at 8832.5,11437.5 h25 r270; PAD_STACK_NAME "14X14" at 8618.5,11417.9 h50 r270; PAD_STACK_NAME "C0201" at 8839.5,11414.5 h50 r270; DISPLAY_TOP "QA/XXX" at 8768.1,11280.5 h31; DISPLAY_TOP "14JAN09" at 8755.7,11540.5 h31; DISPLAY_TOP "10XXX09" at 8755.7,11240.5 h31; DISPLAY_TOP "ADI/DML" at 8755.7,11585.5 h31; ASSEMBLY_TOP "UPN" at 8812.5,11360.5 h25; ASSEMBLY_TOP "10" at 8822.5,11390.5 h25; ASSEMBLY_TOP "0.1uF" at 8792.5,11435.7 h25
C339: PIN_NUMBER "2" at 8780,11413.5 h25 r270; PIN_NUMBER "1" at 8780,11437.5 h25 r270; PAD_STACK_NAME "14X14" at 8566,11417.9 h50 r270; PAD_STACK_NAME "C0201" at 8787,11414.5 h50 r270; DISPLAY_TOP "QA/XXX" at 8715.6,11280.5 h31; DISPLAY_TOP "14JAN09" at 8703.2,11540.5 h31; DISPLAY_TOP "10XXX09" at 8703.2,11240.5 h31; DISPLAY_TOP "ADI/DML" at 8703.2,11585.5 h31; ASSEMBLY_TOP "UPN" at 8760,11360.5 h25; ASSEMBLY_TOP "10" at 8770,11390.5 h25; ASSEMBLY_TOP "0.1uF" at 8740,11435.7 h25
C340: PIN_NUMBER "2" at 8870,11222.5 h25 r90; PIN_NUMBER "1" at 8870,11198.5 h25 r90; PAD_STACK_NAME "14X14" at 8904,11218.1 h50 r90; PAD_STACK_NAME "C0201" at 8683,11221.5 h50 r90; DISPLAY_TOP "QA/XXX" at 8805.6,11355.5 h31 r180; DISPLAY_TOP "14JAN09" at 8793.2,11095.5 h31 r180; DISPLAY_TOP "10XXX09" at 8793.2,11395.5 h31 r180; DISPLAY_TOP "ADI/DML" at 8793.2,11050.5 h31 r180; ASSEMBLY_TOP "UPN" at 8850,11275.5 h25 r180; ASSEMBLY_TOP "10" at 8860,11245.5 h25 r180; ASSEMBLY_TOP "0.01UF" at 8820,11200.3 h25 r180
C341: PIN_NUMBER "2" at 9224.75,11158 h25; PIN_NUMBER "1" at 9160.25,11158 h25; PAD_STACK_NAME "C0603a" at 9077.5,11253 h50; PAD_STACK_NAME "38.5x35x26" at 9102.5,11028 h25; ASSEMBLY_TOP "10UF" at 9164.5,11147 h25; ASSEMBLY_TOP "20" at 9112.5,11158 h25 r90; ASSEMBLY_TOP "UPN" at 9296.5,11157 h25 r90
C342: PIN_NUMBER "2" at 9224.75,11100.5 h25; PIN_NUMBER "1" at 9160.25,11100.5 h25; PAD_STACK_NAME "C0603a" at 9077.5,11195.5 h50; PAD_STACK_NAME "38.5x35x26" at 9102.5,10970.5 h25; ASSEMBLY_TOP "10UF" at 9164.5,11089.5 h25; ASSEMBLY_TOP "20" at 9112.5,11100.5 h25 r90; ASSEMBLY_TOP "UPN" at 9296.5,11099.5 h25 r90
C343: PIN_NUMBER "2" at 9027.5,11043.5 h25 r270; PIN_NUMBER "1" at 9027.5,11067.5 h25 r270; PAD_STACK_NAME "14X14" at 8813.5,11047.9 h50 r270; PAD_STACK_NAME "C0201" at 9034.5,11044.5 h50 r270; DISPLAY_TOP "QA/XXX" at 8963.1,10910.5 h31; DISPLAY_TOP "14JAN09" at 8950.7,11170.5 h31; DISPLAY_TOP "10XXX09" at 8950.7,10870.5 h31; DISPLAY_TOP "ADI/DML" at 8950.7,11215.5 h31; ASSEMBLY_TOP "UPN" at 9007.5,10990.5 h25; ASSEMBLY_TOP "10" at 9017.5,11020.5 h25; ASSEMBLY_TOP "0.1uF" at 8987.5,11065.7 h25
C344: PIN_NUMBER "2" at 9112.5,11043.5 h25 r270; PIN_NUMBER "1" at 9112.5,11067.5 h25 r270; PAD_STACK_NAME "14X14" at 8898.5,11047.9 h50 r270; PAD_STACK_NAME "C0201" at 9119.5,11044.5 h50 r270; DISPLAY_TOP "QA/XXX" at 9048.1,10910.5 h31; DISPLAY_TOP "14JAN09" at 9035.7,11170.5 h31; DISPLAY_TOP "10XXX09" at 9035.7,10870.5 h31; DISPLAY_TOP "ADI/DML" at 9035.7,11215.5 h31; ASSEMBLY_TOP "UPN" at 9092.5,10990.5 h25; ASSEMBLY_TOP "10" at 9102.5,11020.5 h25; ASSEMBLY_TOP "0.1uF" at 9072.5,11065.7 h25
C345: PIN_NUMBER "2" at 9070,11043.5 h25 r270; PIN_NUMBER "1" at 9070,11067.5 h25 r270; PAD_STACK_NAME "14X14" at 8856,11047.9 h50 r270; PAD_STACK_NAME "C0201" at 9077,11044.5 h50 r270; DISPLAY_TOP "QA/XXX" at 9005.6,10910.5 h31; DISPLAY_TOP "14JAN09" at 8993.2,11170.5 h31; DISPLAY_TOP "10XXX09" at 8993.2,10870.5 h31; DISPLAY_TOP "ADI/DML" at 8993.2,11215.5 h31; ASSEMBLY_TOP "UPN" at 9050,10990.5 h25; ASSEMBLY_TOP "10" at 9060,11020.5 h25; ASSEMBLY_TOP "0.1uF" at 9030,11065.7 h25
C346: PIN_NUMBER "2" at 8985,11043.5 h25 r270; PIN_NUMBER "1" at 8985,11067.5 h25 r270; PAD_STACK_NAME "14X14" at 8771,11047.9 h50 r270; PAD_STACK_NAME "C0201" at 8992,11044.5 h50 r270; DISPLAY_TOP "QA/XXX" at 8920.6,10910.5 h31; DISPLAY_TOP "14JAN09" at 8908.2,11170.5 h31; DISPLAY_TOP "10XXX09" at 8908.2,10870.5 h31; DISPLAY_TOP "ADI/DML" at 8908.2,11215.5 h31; ASSEMBLY_TOP "UPN" at 8965,10990.5 h25; ASSEMBLY_TOP "10" at 8975,11020.5 h25; ASSEMBLY_TOP "0.1uF" at 8945,11065.7 h25
C347: PIN_NUMBER "2" at 9510,11621 h25 r270; PIN_NUMBER "1" at 9510,11645 h25 r270; PAD_STACK_NAME "14X14" at 9296,11625.4 h50 r270; PAD_STACK_NAME "C0201" at 9517,11622 h50 r270; DISPLAY_TOP "QA/XXX" at 9445.6,11488 h31; DISPLAY_TOP "14JAN09" at 9433.2,11748 h31; DISPLAY_TOP "10XXX09" at 9433.2,11448 h31; DISPLAY_TOP "ADI/DML" at 9433.2,11793 h31; ASSEMBLY_TOP "UPN" at 9490,11568 h25; ASSEMBLY_TOP "10" at 9500,11598 h25; ASSEMBLY_TOP "0.1uF" at 9470,11643.2 h25
C348: PIN_NUMBER "2" at 9437,11663 h25; PIN_NUMBER "1" at 9413,11663 h25; PAD_STACK_NAME "14X14" at 9342.6,11539 h50; PAD_STACK_NAME "C0201" at 9346,11760 h50; DISPLAY_TOP "QA/XXX" at 9505.6,11663 h31 r90; DISPLAY_TOP "14JAN09" at 9233.2,11663 h31 r90; DISPLAY_TOP "10XXX09" at 9533.2,11663 h31 r90; DISPLAY_TOP "ADI/DML" at 9188.2,11663 h31 r90; ASSEMBLY_TOP "UPN" at 9470,11663 h25 r90; ASSEMBLY_TOP "10" at 9450,11663 h25 r90; ASSEMBLY_TOP "0.1uF" at 9374.8,11663 h25 r90
C354: PIN_NUMBER "2" at 8355,10379.25 h25 r90; PIN_NUMBER "1" at 8355,10421.75 h25 r90; ASSEMBLY_BOTTOM "1uF" at 8349.17,10396.17 h25 r90; ASSEMBLY_BOTTOM "10" at 8398.94,10395.78 h25 r90; ASSEMBLY_BOTTOM "UPN" at 8403.5,10399.71 h25 r90; PAD_STACK_NAME "C0402" at 8170,10405.5 h50 r90; PAD_STACK_NAME "27.5x25x15" at 8371,10400.5 h31 r90
C355: PIN_NUMBER "2" at 8315,10388.5 h25 r90; PIN_NUMBER "1" at 8315,10412.5 h25 r90; ASSEMBLY_BOTTOM "UPN" at 8295,10335.5 h25; ASSEMBLY_BOTTOM "10" at 8305,10365.5 h25; ASSEMBLY_BOTTOM "0.01UF" at 8265,10410.7 h25; PAD_STACK_NAME "14X14" at 8349,10392.9 h50 r90; PAD_STACK_NAME "C0201" at 8128,10389.5 h50 r90; DISPLAY_BOTTOM "QA/XXX" at 8250.6,10255.5 h31; DISPLAY_BOTTOM "14JAN09" at 8238.2,10515.5 h31; DISPLAY_BOTTOM "10XXX09" at 8238.2,10215.5 h31; DISPLAY_BOTTOM "ADI/DML" at 8238.2,10560.5 h31
C356: PIN_NUMBER "2" at 8250,10388.5 h25 r270; PIN_NUMBER "1" at 8250,10412.5 h25 r270; PAD_STACK_NAME "14X14" at 8036,10392.9 h50 r270; PAD_STACK_NAME "C0201" at 8257,10389.5 h50 r270; DISPLAY_TOP "QA/XXX" at 8185.6,10255.5 h31; DISPLAY_TOP "14JAN09" at 8173.2,10515.5 h31; DISPLAY_TOP "10XXX09" at 8173.2,10215.5 h31; DISPLAY_TOP "ADI/DML" at 8173.2,10560.5 h31; ASSEMBLY_TOP "UPN" at 8230,10335.5 h25; ASSEMBLY_TOP "10" at 8240,10365.5 h25; ASSEMBLY_TOP "0.01UF" at 8200,10410.7 h25